# Altium PCB dcb_split_v2.PcbDoc (part 3 of 3)
Units mm, origin at the board's own origin, x right, y up, seen from the top; angles counter-clockwise.
Board outline 175 x 60 mm, 4 copper layers (Top Layer, Int1 (GND), Int2 (PWR), Bottom Layer), stack 1.369 mm thick; 175 components, 105 nets, 654 pads, 664 vias.
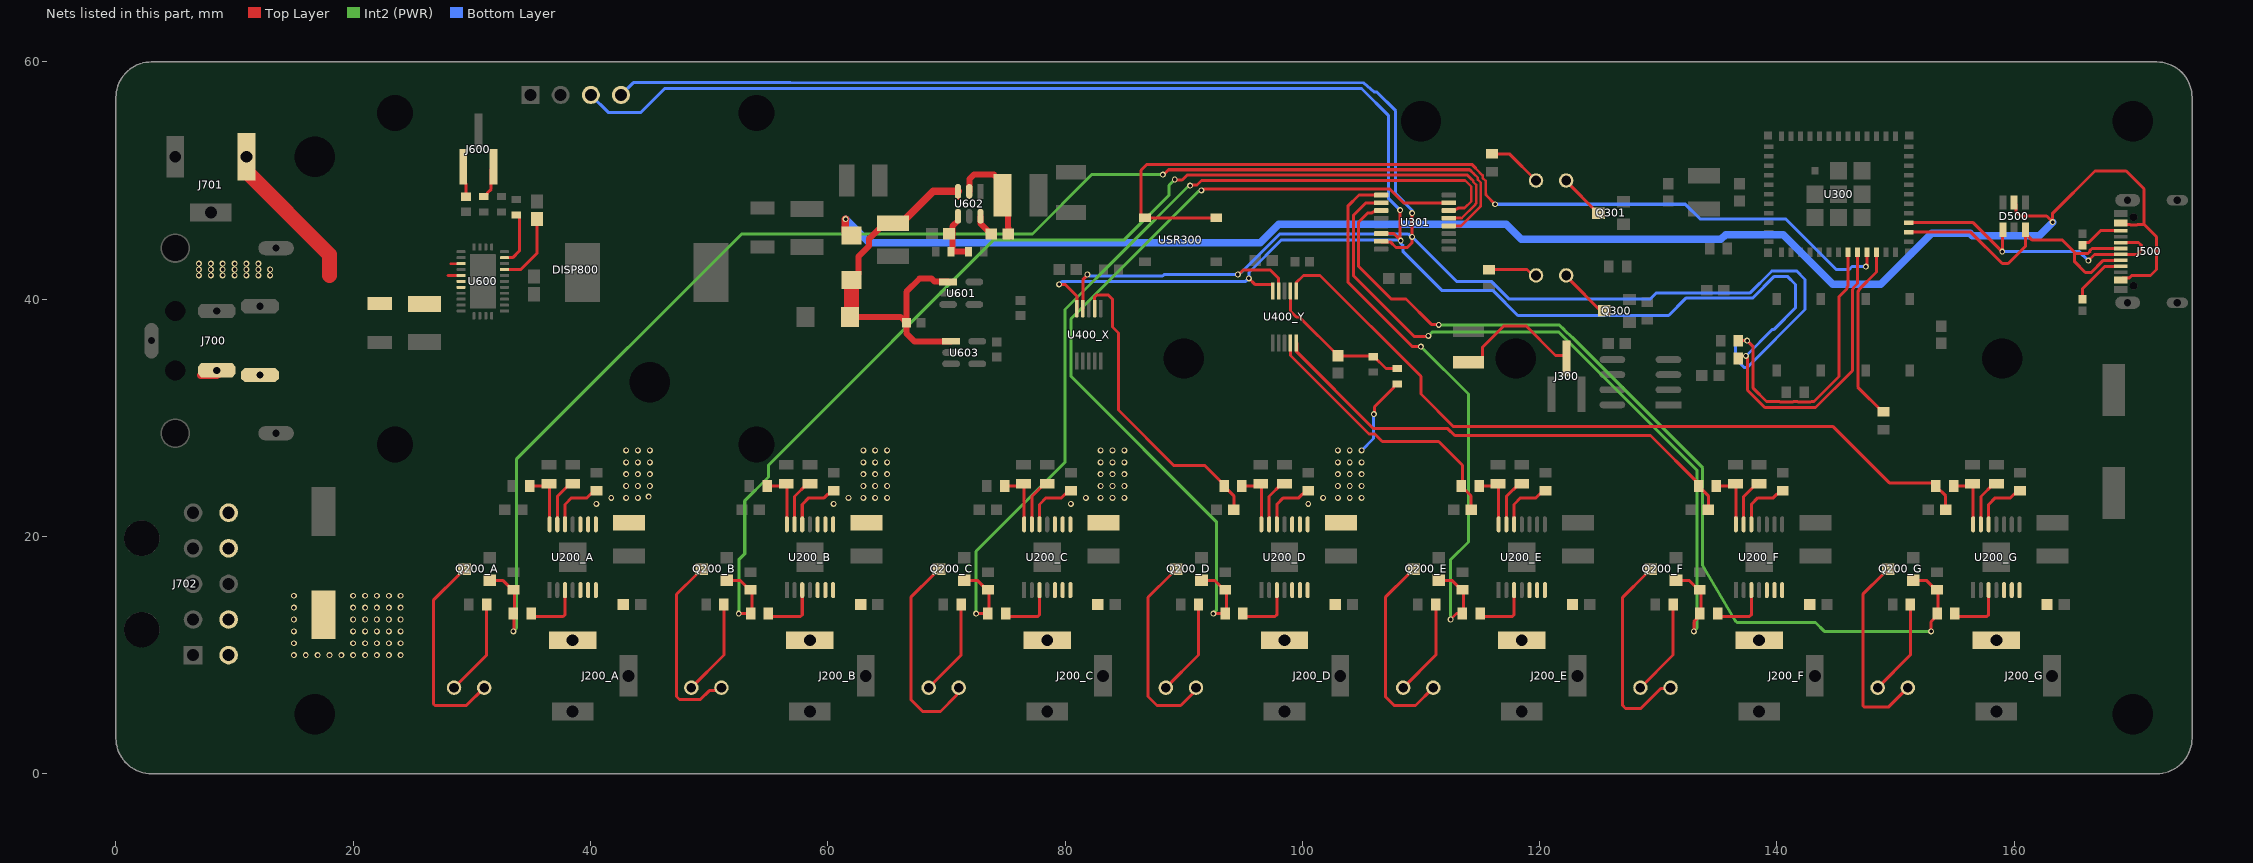
[diagram p5: the nets of this part, all layers, seen from the top]

## Via types
v1: diameter 0.5, hole 0.3, Top Layer to Bottom Layer, 664 vias

## Nets (pads, with @x,y where several pads share a name; then routed paths per layer and width w, separated by ;. In a path a pad name is that pad's centre, name@x,y a point inside that pad or via, vN(x,y) a via of type N, cw(c..) or ccw(c..) an arc to the next point about the centre after c; other vN are vias at no path point) (continued)
NetC202_D_1: C202_D.1 R205_D.2 U400_X.7 | length 26.1
  Top Layer w0.254: U400_X.7@82.5,39.151 82.5,40.184 82.649,40.333 83.667,40.333 84,40 84,37.651 84.5,37.151 84.5,30.651 89.151,26 91.75,26 R205_D.2@93.5,24.25 ; R205_D.2@93.5,24.15 94.227,23.423 C202_D.1@94.227,22.25
NetC202_E_1: C202_E.1 R205_E.2 U400_Y.4 | length 23.5
  Top Layer w0.254: U400_Y.4@99,36.349 99,35.25 105.615,28.635 106.115,28.635 106.75,28 111.5,28 113.5,26 113.5,24.25 113.5,24.15 114.227,23.423 C202_E.1@114.227,22.25
NetC202_F_1: C202_F.1 R205_F.2 U400_Y.5 | length 41.8
  Top Layer w0.254: U400_Y.5@99.5,36.349 99.531,36.318 99.531,35.565 106.007,29.089 112.269,29.089 112.858,28.5 129.35,28.5 133.5,24.35 133.5,24.15 134.227,23.423 C202_F.1@134.227,22.25
NetC202_G_1: C202_G.1 R205_G.2 U400_Y.6 | length 65.6
  Top Layer w0.254: U400_Y.6@99.5,40.651 99.5,41.404 100.096,42 101.5,42 110,33.5 110,32 112.75,29.25 144.75,29.25 149.477,24.523 153.327,24.523 153.5,24.35 153.5,24.25 153.5,24.15 154.227,23.423 C202_G.1@154.227,22.25
NetC600_1: C600.1 U600.8 | length 6.3
  Top Layer w0.254: U600.8@32.75,42.5 34.132,42.5 35.5,43.868 C600.1@35.5,46.859
NetC606_2: C606.2 C614.1 D600.K D601.K U601.1 U602.3 U603.1 | length 33.7
  Top Layer w0.254: U602.3@70.978,49.083 71.032,49.03 U602.3@71.032,48.468
  Top Layer w0.508: D601.K@61.88,38.5 66.15,38.5 C614.1@66.623,38.027 ; D600.K@62,41.62 62.003,41.62 62.076,41.62 62.584,42.128 62.584,43.584 63.494,44.494 63.494,45.094 64.8,46.4 C606.2@65.5,46.4 ; U601.1@70.15,41.45 70.117,41.482 69.008,41.482 68.755,41.735 67.735,41.735 66.623,40.623 C614.1@66.623,38.027 ; U603.1@70.4,36.45 67.3,36.45 66.623,37.127 C614.1@66.623,38 C614.1@66.623,38.027
  Top Layer w0.635: C606.2@65.5,46.4 66.2,46.4 68.883,49.083 U602.3@70.978,49.083
  Top Layer w1.27: D601.K@61.88,38.5 62.003,38.623 D600.K@62.003,41.62
NetC611_1: C611.1 U602.6 | length 2.3
  Top Layer w0.508: U602.6@72.878,46.622 U602.6@72.878,46.983 72.883,46.978 72.883,46.367 73.75,45.5 C611.1@73.773,45.5 C611.1@73.796,45.5
NetC611_2: C611.2 L601.1 U602.2 | length 8
  Top Layer w0.508: U602.2@71.928,49.083 71.928,50.115 72.314,50.5 74,50.5 L601.1@74.5,50 ; L601.1@74.5,48.5 75.2,47.8 75.2,46.027 75.25,45.977 ; L601.1@75.15,49.6 75.15,48.75 L601.1@75.2,48.7 ; C611.2@75.227,45.5 C611.2@75.429,45.298
NetC612_2: C612.2 R604.1 R605.2 U602.4 | length 4.5
  Top Layer w0.508: U602.4@70.978,46.983 70.978,46.615 70.5,46.137 70.5,44 R604.1@71.85,44
NetJ300_2: J300.2 R308.1 | length 11.2
  Top Layer w0.254: R308.1@114,34.675 114.775,34.675 115.173,35.073 115.173,35.923 117,37.75 118.847,37.75 121.347,35.25 122.072,35.25 122.27,35.052 J300.2@122.27,35
NetJ500_A5: J500.A5 R500.2 | length 4.9
  Top Layer w0.254: R500.2@165.75,40 165.75,40.858 167.663,42.771 J500.A5@169,42.771
NetJ500_B5: J500.B5 R501.2 | length 3.8
  Top Layer w0.254: R501.2@165.75,44.543 165.75,44.55 165.959,44.759 166.259,44.759 167.271,45.771 J500.B5@169,45.771
NetJ600_1: J600.1 R606.1 | length 2.6
  Top Layer w0.254: J600.1@29.284,51.151 29.284,49.976 29.5,49.76 R606.1@29.5,48.625
NetJ600_3: J600.3 R603.1 | length 2.9
  Top Layer w0.254: R603.1@31,48.65 31.1,48.65 31.273,48.823 31.273,48.923 31.626,49.276 31.626,50.953 J600.3@31.824,51.151
NetLED200_A_A: LED200_A.A R206_A.1 | length 8.1
  Top Layer w0.254: LED200_A.A@28.5,7.25 31.25,10 R206_A.1@31.25,14.25
NetLED200_A_C: LED200_A.C Q200_A.3 | length 17.4
  Top Layer w0.254: Q200_A.3@29.382,17.25 29.332,17.25 28.976,16.894 28.976,16.844 26.75,14.618 26.75,5.899 26.899,5.75 29.54,5.75 LED200_A.C@31.04,7.25
NetLED200_B_A: LED200_B.A R206_B.1 | length 8.1
  Top Layer w0.254: LED200_B.A@48.5,7.25 51.25,10 R206_B.1@51.25,14.25
NetLED200_B_C: LED200_B.C Q200_B.3 | length 15.7
  Top Layer w0.254: Q200_B.3@49.382,17.25 49.332,17.25 48.976,16.894 48.976,16.844 47.25,15.118 47.25,6.5 47.5,6.25 49.264,6.25 50.014,7 50.409,7 50.474,7.065 50.725,7.065 LED200_B.C@50.79,7
NetLED200_C_A: LED200_C.A R206_C.1 | length 7.8
  Top Layer w0.254: LED200_C.A@68.75,7.5 71.25,10 R206_C.1@71.25,14.25
NetLED200_C_C: LED200_C.C Q200_C.3 | length 17.3
  Top Layer w0.254: Q200_C.3@69.382,17.25 69.332,17.25 68.976,16.894 68.976,16.844 67,14.868 67,6.25 68,5.25 69.5,5.25 70.855,6.605 LED200_C.C@70.855,7.065
NetLED200_D_A: LED200_D.A R206_D.1 | length 8.1
  Top Layer w0.254: LED200_D.A@88.5,7.25 91.25,10 R206_D.1@91.25,14.25
NetLED200_D_C: LED200_D.C Q200_D.3 | length 16.9
  Top Layer w0.254: Q200_D.3@89.382,17.25 89.332,17.25 88.976,16.894 88.976,16.844 87,14.868 87,6.5 87.75,5.75 89.75,5.75 91.04,7.04 LED200_D.C@91.04,7.25
NetLED200_E_A: LED200_E.A R206_E.1 | length 8.1
  Top Layer w0.254: LED200_E.A@108.5,7.25 111.25,10 R206_E.1@111.25,14.25
NetLED200_E_C: LED200_E.C Q200_E.3 | length 16.7
  Top Layer w0.254: Q200_E.3@109.382,17.25 109.332,17.25 108.976,16.894 108.976,16.844 107,14.868 107,6.5 107.75,5.75 109.54,5.75 LED200_E.C@111.04,7.25
NetLED200_F_A: LED200_F.A R206_F.1 | length 8.1
  Top Layer w0.254: LED200_F.A@128.5,7.25 131.25,10 R206_F.1@131.25,14.25
NetLED200_F_C: LED200_F.C Q200_F.3 | length 17.4
  Top Layer w0.254: Q200_F.3@129.382,17.25 129.332,17.25 128.976,16.894 128.976,16.844 127,14.868 127,5.75 127.25,5.5 128.536,5.5 130.216,7.181 130.971,7.181 LED200_F.C@131.04,7.25
NetLED200_G_A: LED200_G.A R206_G.1 | length 8.1
  Top Layer w0.254: LED200_G.A@148.5,7.25 151.25,10 R206_G.1@151.25,14.25
NetLED200_G_C: LED200_G.C Q200_G.3 | length 16.9
  Top Layer w0.254: Q200_G.3@149.382,17.25 149.332,17.25 148.976,16.894 148.976,16.844 147.25,15.118 147.25,5.759 147.399,5.61 149.4,5.61 LED200_G.C@151.04,7.25
NetLED300_A: LED300.A R304.1 | length 4.2
  Top Layer w0.254: R304.1@115.75,42.5 118.939,42.5 119.439,42 LED300.A@119.7,42
NetLED300_C: LED300.C Q300.3 | length 4.6
  Top Layer w0.254: LED300.C@122.24,42 122.24,41.929 125.411,38.758 Q300.3@125.462,38.758
NetLED301_A: LED301.A R305.1 | length 4.6
  Top Layer w0.254: R305.1@116,52.25 117.45,52.25 LED301.A@119.7,50
NetLED301_C: LED301.C Q301.3 | length 3.9
  Top Layer w0.254: LED301.C@122.24,50 122.24,49.929 124.911,47.258 Q301.3@124.962,47.258
NetQ200_A_1: Q200_A.1 R200_A.1 R201_A.1 U301.4 | length 117.8
  Top Layer w0.2: 114.468,50.564 114.8,50.232 114.8,50.06 115.05,49.81 115.05,47.894 115.012,47.856
  Top Layer w0.254: Q200_A.1@31.5,16.3 32.6,16.3 33.4,15.5 R200_A.1@33.5,15.5 33.6,15.4 33.6,13.5 33.547,13.447 33.547,12.047 v1(33.5,12) ; v1(88.25,50.5) 88.317,50.5 88.725,50.908 114.105,50.908 114.428,50.585 114.447,50.585 114.468,50.564 ; U301.4@112.35,46.175 113.383,46.175 115.012,47.804 115.012,47.856
  Int2 (PWR) w0.254: v1(33.5,12) 33.5,12.022 33.75,12.272 33.75,24.884 33.75,26.5 52.75,45.5 77.25,45.5 82.25,50.5 v1(88.25,50.5)
NetQ200_B_1: Q200_B.1 R200_B.1 R201_B.1 U301.5 | length 94.1
  Top Layer w0.2: 113.331,46.825 113.429,46.825 114.585,47.981 114.585,48.019 114.65,48.084 114.65,49.644 114.4,49.894 114.4,49.99 114.259,50.131
  Top Layer w0.254: Q200_B.1@51.5,16.3 52.6,16.3 53.4,15.5 R200_B.1@53.5,15.5 53.6,15.4 53.6,13.5 v1(52.5,13.5) ; v1(89.25,50.087) 89.297,50.04 89.872,50.04 90.286,50.454 113.917,50.454 114.24,50.131 114.259,50.131 ; U301.5@112.35,46.825 113.331,46.825
  Int2 (PWR) w0.254: v1(52.5,13.5) 52.5,18.037 53.004,18.541 53.004,23.004 54.884,24.884 55.008,25.008 55.008,26.008 56.839,27.839 74,45 85,45 88.758,48.758 88.758,49.595 v1(89.25,50.087)
NetQ200_C_1: Q200_C.1 R200_C.1 R201_C.1 U301.6 | length 76.6
  Top Layer w0.2: 113.671,47.671 114.25,48.25 114.25,49.479 113.729,50
  Top Layer w0.254: Q200_C.1@71.5,16.3 72.6,16.3 73.4,15.5 R200_C.1@73.5,15.5 73.6,15.4 73.6,13.5 v1(72.5,13.5) ; v1(90.549,49.573) 90.596,49.621 91.132,49.621 91.511,50 113.729,50 ; U301.6@112.35,47.475 112.423,47.548 112.922,47.548 112.972,47.598 113.056,47.598 113.129,47.671 113.671,47.671
  Int2 (PWR) w0.254: v1(72.5,13.5) 72.5,18.75 80,26.25 80,39.127 85.2,44.327 90.323,49.45 90.359,49.45 90.482,49.573 v1(90.549,49.573)
NetQ200_D_1: Q200_D.1 R200_D.1 R201_D.1 U301.7 | length 72.4
  Top Layer w0.254: Q200_D.1@91.5,16.3 92.6,16.3 93.4,15.5 R200_D.1@93.5,15.5 93.6,15.4 93.6,13.5 v1(92.5,13.5) ; v1(91.5,49.173) 91.567,49.173 91.696,49.302 107.356,49.302 108.533,48.125 U301.7@112.35,48.125
  Int2 (PWR) w0.254: v1(91.5,49.173) 91.453,49.126 91.283,49.126 85.968,43.811 80.5,38.343 80.5,33.5 92.75,21.25 92.75,13.772 92.5,13.522 v1(92.5,13.5)
NetQ200_E_1: Q200_E.1 R200_E.1 R201_E.1 U301.9 | length 49
  Top Layer w0.254: U301.9@106.65,48.775 104.775,48.775 103.842,47.842 103.842,41.445 109.287,36 v1(110,36) ; Q200_E.1@111.5,16.3 112.6,16.3 113.4,15.5 R200_E.1@113.5,15.5 113.6,15.4 113.6,13.5 R201_E.1@113.5,13.5 113,13.5 v1(112.5,13)
  Int2 (PWR) w0.254: v1(110,36) 114,32 114,19.537 112.5,18.037 v1(112.5,13)
NetQ200_F_1: Q200_F.1 R200_F.1 R201_F.1 U301.10 | length 63.8
  Top Layer w0.254: U301.10@106.65,48.125 105.375,48.125 104.296,47.046 104.296,41.991 109.449,36.838 110.127,36.838 110.145,36.856 110.584,36.856 v1(110.631,36.903) ; Q200_F.1@131.5,16.3 132.6,16.3 133.4,15.5 R200_F.1@133.5,15.5 133.6,15.4 133.6,13.4 133,12.8 v1(133,12)
  Int2 (PWR) w0.254: v1(110.631,36.903) 110.979,37.25 121.6,37.25 133.25,25.6 133.25,12.272 133,12.022 v1(133,12)
NetQ200_G_1: Q200_G.1 R200_G.1 R201_G.1 U301.11 | length 78.7
  Top Layer w0.254: U301.11@106.65,47.475 106.577,47.402 106.078,47.402 106.028,47.352 105.944,47.352 105.871,47.279 105.529,47.279 104.75,46.5 104.75,42.75 107.487,40.013 108.737,40.013 110.876,37.874 111.453,37.874 v1(111.5,37.827) ; Q200_G.1@151.5,16.3 152.6,16.3 153.4,15.5 R200_G.1@153.5,15.5 153.6,15.4 153.6,13.4 153,12.8 v1(153,12)
  Int2 (PWR) w0.254: v1(111.5,37.827) 121.665,37.827 122.081,37.411 122.088,37.405 122.743,36.796 133.75,25.789 133.75,17.535 136.498,12.899 136.643,12.75 143.25,12.75 144,12 v1(153,12)
NetR201_A_2: R201_A.2 U200_A.3 | length 5.2
  Top Layer w0.254: R201_A.2@34.9,13.5 34.9,13.423 35.073,13.25 37.701,13.25 37.85,13.399 U200_A.3@37.85,15.475
NetR201_B_2: R201_B.2 U200_B.3 | length 5.2
  Top Layer w0.254: R201_B.2@54.9,13.5 54.9,13.423 55.073,13.25 57.701,13.25 57.85,13.399 U200_B.3@57.85,15.475
NetR201_C_2: R201_C.2 U200_C.3 | length 5.2
  Top Layer w0.254: R201_C.2@74.9,13.5 74.9,13.423 75.073,13.25 77.701,13.25 77.85,13.399 U200_C.3@77.85,15.475
NetR201_D_2: R201_D.2 U200_D.3 | length 5.2
  Top Layer w0.254: R201_D.2@94.9,13.5 94.9,13.423 95.073,13.25 97.701,13.25 97.85,13.399 U200_D.3@97.85,15.475
NetR201_E_2: R201_E.2 U200_E.3 | length 5.2
  Top Layer w0.254: R201_E.2@114.9,13.5 114.9,13.423 115.073,13.25 117.701,13.25 117.85,13.399 U200_E.3@117.85,15.475
NetR201_F_2: R201_F.2 U200_F.3 | length 5.2
  Top Layer w0.254: R201_F.2@134.9,13.5 134.9,13.423 135.073,13.25 137.701,13.25 137.85,13.399 U200_F.3@137.85,15.475
NetR201_G_2: R201_G.2 U200_G.3 | length 5.2
  Top Layer w0.254: R201_G.2@154.9,13.5 154.9,13.423 155.073,13.25 157.701,13.25 157.85,13.399 U200_G.3@157.85,15.475
NetR202_A_2: R202_A.2 U200_A.12 | length 4.8
  Top Layer w0.254: U200_A.12@37.85,21.025 37.85,22.701 38.399,23.25 39.7,23.25 40.4,23.95 R202_A.2@40.5,23.95
NetR202_B_2: R202_B.2 U200_B.12 | length 4.8
  Top Layer w0.254: U200_B.12@57.85,21.025 57.85,22.701 58.399,23.25 59.7,23.25 60.4,23.95 R202_B.2@60.5,23.95
NetR202_C_2: R202_C.2 U200_C.12 | length 4.8
  Top Layer w0.254: U200_C.12@77.85,21.025 77.85,22.701 78.399,23.25 79.7,23.25 80.4,23.95 R202_C.2@80.5,23.95
NetR202_D_2: R202_D.2 U200_D.12 | length 4.8
  Top Layer w0.254: U200_D.12@97.85,21.025 97.85,22.701 98.399,23.25 99.7,23.25 100.4,23.95 R202_D.2@100.5,23.95
NetR202_E_2: R202_E.2 U200_E.12 | length 4.8
  Top Layer w0.254: U200_E.12@117.85,21.025 117.85,22.701 118.399,23.25 119.7,23.25 120.4,23.95 R202_E.2@120.5,23.95
NetR202_F_2: R202_F.2 U200_F.12 | length 4.8
  Top Layer w0.254: U200_F.12@137.85,21.025 137.85,22.701 138.399,23.25 139.7,23.25 140.4,23.95 R202_F.2@140.5,23.95
NetR202_G_2: R202_G.2 U200_G.12 | length 4.8
  Top Layer w0.254: U200_G.12@157.85,21.025 157.85,22.701 158.399,23.25 159.7,23.25 160.4,23.95 R202_G.2@160.5,23.95
NetR203_A_2: R203_A.2 U200_A.13 | length 4.1
  Top Layer w0.254: U200_A.13@37.2,21.025 37.2,23.375 38.275,24.45 R203_A.2@38.5,24.45
NetR203_B_2: R203_B.2 U200_B.13 | length 4.1
  Top Layer w0.254: U200_B.13@57.2,21.025 57.2,23.375 58.275,24.45 R203_B.2@58.5,24.45
NetR203_C_2: R203_C.2 U200_C.13 | length 4.1
  Top Layer w0.254: U200_C.13@77.2,21.025 77.2,23.375 78.275,24.45 R203_C.2@78.5,24.45
NetR203_D_2: R203_D.2 U200_D.13 | length 4.1
  Top Layer w0.254: U200_D.13@97.2,21.025 97.2,23.375 98.275,24.45 R203_D.2@98.5,24.45
NetR203_E_2: R203_E.2 U200_E.13 | length 4.1
  Top Layer w0.254: U200_E.13@117.2,21.025 117.2,23.375 118.275,24.45 R203_E.2@118.5,24.45
NetR203_F_2: R203_F.2 U200_F.13 | length 4.1
  Top Layer w0.254: U200_F.13@137.2,21.025 137.2,23.375 138.275,24.45 R203_F.2@138.5,24.45
NetR203_G_2: R203_G.2 U200_G.13 | length 4.1
  Top Layer w0.254: U200_G.13@157.2,21.025 157.2,23.375 158.275,24.45 R203_G.2@158.5,24.45
NetR204_A_2: R204_A.2 R205_A.1 U200_A.14 | length 5.2
  Top Layer w0.254: R205_A.1@34.8,24.25 36.3,24.25 R204_A.2@36.5,24.45 36.55,24.4 U200_A.14@36.55,21.025
NetR204_B_2: R204_B.2 R205_B.1 U200_B.14 | length 5.2
  Top Layer w0.254: R205_B.1@54.8,24.25 56.3,24.25 R204_B.2@56.5,24.45 56.55,24.4 U200_B.14@56.55,21.025
NetR204_C_2: R204_C.2 R205_C.1 U200_C.14 | length 5.2
  Top Layer w0.254: R205_C.1@74.8,24.25 76.3,24.25 R204_C.2@76.5,24.45 76.55,24.4 U200_C.14@76.55,21.025
NetR204_D_2: R204_D.2 R205_D.1 U200_D.14 | length 5.2
  Top Layer w0.254: R205_D.1@94.8,24.25 96.3,24.25 R204_D.2@96.5,24.45 96.55,24.4 U200_D.14@96.55,21.025
NetR204_E_2: R204_E.2 R205_E.1 U200_E.14 | length 5.2
  Top Layer w0.254: R205_E.1@114.8,24.25 116.3,24.25 R204_E.2@116.5,24.45 116.55,24.4 U200_E.14@116.55,21.025
NetR204_F_2: R204_F.2 R205_F.1 U200_F.14 | length 5.2
  Top Layer w0.254: R205_F.1@134.8,24.25 136.3,24.25 R204_F.2@136.5,24.45 136.55,24.4 U200_F.14@136.55,21.025
NetR204_G_2: R204_G.2 R205_G.1 U200_G.14 | length 5.2
  Top Layer w0.254: R205_G.1@154.8,24.25 156.3,24.25 R204_G.2@156.5,24.45 156.55,24.4 U200_G.14@156.55,21.025
NetR300_1: R300.1 U300.22 | length 15.1
  Top Layer w0.254: U300.22@148.4,43.95 148.4,42.288 146.908,40.796 146.908,40.72 146.823,40.635 146.823,32.577 148.9,30.5 R300.1@149,30.5
NetR602_1: R602.1 U600.10 | length 4.7
  Top Layer w0.254: U600.10@32.75,43.5 32.752,43.502 33.447,43.502 34,44.055 34,46.927 33.827,47.1 R602.1@33.75,47.1
NetU300_21: U300.21 USR300.1 USR300.2 | length 77.4
  Top Layer w0.2: 114.618,51.037 114.618,51.018 115.2,50.436 115.2,50.226 115.45,49.976 115.45,48.884 115.477,48.857
  Top Layer w0.254: USR300.2@92.75,46.85 86.622,46.85 86.399,47.073 86.399,50.855 86.906,51.362 114.293,51.362 114.618,51.037 ; 115.477,48.857 115.477,48.773 v1(116.25,48) ; v1(147.5,42.75) 147.5,42.817 147.6,42.917 U300.21@147.6,43.95
  Bottom Layer w0.254: v1(116.25,48) 132.282,48 133.532,46.75 140.75,46.75 145,42.5 146.092,42.5 146.342,42.75 v1(147.5,42.75)
SCL: DISP800.3 R301.1 U300.20 U301.14 U400_X.10 U400_Y.10 | length 188.5
  Top Layer w0.254: v1(79.5,41.25) 80,41.25 81,40.25 U400_X.10@81,39.151 ; v1(95.5,41.75) 96.001,41.249 97.477,41.249 97.5,41.226 U400_Y.10@97.5,40.651 ; U301.14@106.65,45.525 107.73,45.525 108.297,44.958 v1(108.297,44.932) ; v1@108.25,45.005 v1(108.25,47.5) ; v1(137.39,35.216) 137.39,35.149 137.531,35.008 137.531,32.327 138.985,30.872 143.265,30.872 146.369,33.977 146.369,40.823 146.454,40.908 146.454,40.984 146.8,41.33 U300.20@146.8,43.95
  Bottom Layer w0.254: DISP800.3@40.03,57.214 41.494,55.75 44.25,55.75 46.25,57.75 53.996,57.75 56.839,57.75 105,57.75 105.074,57.676 107.25,55.5 107.25,48.5 v1(108.25,47.5) ; v1(79.5,41.25) 79.522,41.25 79.772,41.5 95.228,41.5 95.478,41.75 v1(95.5,41.75) 95.5,42.25 98.255,45.005 108.25,45.005 108.297,44.958 108.297,44.699 108.5,44.496 108.5,43.994 111.744,40.75 116.042,40.75 118.161,38.631 130.881,38.631 132.331,40.081 137.94,40.081 139.79,41.931 140.885,41.931 141.577,41.239 141.577,39.269 139.769,37.461 139.635,37.461 v1(137.39,35.216)
SDA: DISP800.4 R302.1 U300.19 U301.15 U400_X.9 U400_Y.9 | length 192.5
  Top Layer w0.254: U400_X.9@81.482,39.169 81.5,39.188 81.5,41.627 81.883,42.01 v1(81.883,42.077) ; v1(94.577,42.077) 94.644,42.077 95.007,42.441 97.318,42.441 97.982,41.777 U400_Y.9@97.982,40.669 ; U301.15@106.65,44.875 106.688,44.837 107.413,44.837 107.895,44.355 108.855,44.355 109.25,44.75 v1(109.25,47.25) ; R302.1@136.75,36.5 v1(137.5,36.5) 138.004,35.996 138.004,32.504 138,32.5 139.119,31.381 140.22,31.381 140.274,31.326 141.345,31.326 141.4,31.381 141.72,31.381 141.774,31.326 142.845,31.326 142.9,31.381 143.131,31.381 145.238,33.488 145.238,40.204 145.915,40.881 145.915,41.012 146,41.097 U300.19@146,43.95
  Bottom Layer w0.254: DISP800.4@42.57,57.214 43.606,58.25 54.493,58.25 56.839,58.248 105.188,58.204 106.029,57.468 106.079,57.468 106.282,57.468 107.875,55.875 107.875,48.875 109.25,47.5 v1(109.25,47.25) ; v1(81.883,42.077) 81.95,42.077 82.073,41.954 88.23,41.954 88.353,42.077 94.644,42.077 94.767,42.2 94.808,42.2 98.117,45.509 108.925,45.509 109.183,45.25 v1(109.25,45.25) 113,41.5 115.934,41.5 117.438,39.996 129.312,39.996 129.851,40.535 137.748,40.535 139.455,42.242 139.459,42.242 139.602,42.385 141.654,42.385 142.381,41.658 142.381,39.131 137.48,34.23 137.27,34.23 136.5,35 136.5,36.351 136.649,36.5 v1(137.5,36.5)
USBDN: D500.3 J500.A7 J500.B7 U300.26 | length 27.4
  Top Layer w0.254: U300.26@151.1,45.65 156.35,45.65 159,43 159.5,43 160.95,44.45 D500.3@160.95,45.55 ; D500.3@160.95,45.85 D500.3@160.95,45.55 ; 165.106,43.858 166.222,43.858 166.413,44.05 166.413,44.123 166.562,44.271 J500.A7@169,44.271 ; J500.B7@169,43.271 167.521,43.271 166.5,42.25 166,42.25 165.106,43.144 165.106,43.931 164.033,45.004 161.496,45.004 D500.3@160.95,45.55
USBDP: D500.1 J500.A6 J500.B6 U300.27 | length 25.4
  Top Layer w0.254: U300.27@151.1,46.45 156.55,46.45 v1(159,44) 159.025,44.025 159.025,45.825 D500.1@159.05,45.85 ; v1(166.25,43.25) 166.256,43.25 166.777,43.771 170.373,43.771 170.75,44.149 170.75,44.5 170.479,44.771 J500.B6@169,44.771
  Bottom Layer w0.254: v1(159,44) 165.5,44 v1(166.25,43.25)
VBUS: D500.5 D600.A J500.A4_B9 J500.B4_A9 | length 137
  Top Layer w0.254: D500.5@160,48.15 160.14,48.01 160.14,47.36 160.489,47.011 162.739,47.011 v1(163.25,46.5) 163.25,47.25 166.809,50.809 169.441,50.809 170.947,49.303 170.947,46.303 170.384,46.303 170.34,46.259 169.8,46.259 169.769,46.29 169.131,46.29 J500.B4_A9@169,46.421 ; J500.A4_B9@169,41.621 169.173,41.794 169.592,41.794 169.705,41.794 169.911,42 171.5,42 172,42.5 172,45.25 170.918,46.332
  Top Layer w0.635: v1(61.5,46.75) 61.472,46.722 61.472,45.657 D600.A@61.75,45.38
  Bottom Layer w0.635: v1(61.5,46.75) 63.5,44.75 96.442,44.75 98.013,46.321 117.179,46.321 118.457,45.044 135.288,45.044 135.689,45.444 140.534,45.444 144.728,41.25 148.768,41.25 153.063,45.546 156.279,45.546 156.469,45.355 162.106,45.355 v1(163.25,46.5)
VIN: C200_A.2 C200_B.2 C200_C.2 C200_D.2 C602.2 C604.1 C700.2 J700.2 J700.4 J701.1 J702.6 J702.7 J702.9 J702.10 R100.2 U200_A.8 U200_A.9 U200_A.10 U200_B.8 U200_B.9 U200_B.10 U200_C.8 U200_C.9 U200_C.10 U200_D.8 U200_D.9 U200_D.10 U600.18 U600.20 U600.21 U600.22 | length 24.1
  Top Layer w0.2: 28.226,43 U600.18@29.1,43
  Top Layer w0.254: 28,42 U600.20@29.1,42 ; v1(106.031,30.305) 106.078,30.352 106.078,30.928 107.727,32.577 107.727,32.677 107.9,32.85 R100.2@108,32.85
  Top Layer w0.635: J700.4@7.15,33.6 J700.4@8.5,33.6 ; J700.2@11.22,33.6 J700.2@12.15,33.6
  Top Layer w1.27: J700.4@8.5,34 J700.4@8.535,33.965 ; J701.1@11,52 11,50.75 18,43.75 18,42
  Bottom Layer w0.254: v1(105,27.25) 106,28.25 106,30.274 v1(106.031,30.305)
  other v1: 15,10 16,10 17,10 18,10 19,10 20,10 21,10 22,10 23,10 24,10 15,11 20,11 21,11 22,11 23,11 24,11 15,12 20,12 21,12 22,12 23,12 24,12 15,13 20,13 21,13 22,13 23,13 24,13 15,14 20,14 21,14 22,14 23,14 24,14 15,15 20,15 21,15 22,15 23,15 24,15 40.5,22.75 60.5,22.75 80.5,22.75 100.5,22.75 41.75,23.25 43,23.25 44,23.25 61.75,23.25 63,23.25 64,23.25 65,23.25 81.75,23.25 83,23.25 84,23.25 85,23.25 101.75,23.25 103,23.25 104,23.25 105,23.25 44.894,23.356 43,24.25 44,24.25 45,24.25 63,24.25 64,24.25 65,24.25 83,24.25 84,24.25 85,24.25 103,24.25 104,24.25 105,24.25 43,25.25 44,25.25 45,25.25 63,25.25 64,25.25 65,25.25 83,25.25 84,25.25 85,25.25 103,25.25 104,25.25 105,25.25 43,26.25 44,26.25 45,26.25 63,26.25 64,26.25 65,26.25 83,26.25 84,26.25 85,26.25 103,26.25 104,26.25 105,26.25 43,27.25 44,27.25 45,27.25 63,27.25 64,27.25 65,27.25 83,27.25 84,27.25 85,27.25 103,27.25 104,27.25 7,42 8,42 9,42 10,42 11,42 12,42 13,42 7,42.5 8,42.5 9,42.5 10,42.5 11,42.5 12,42.5 13,42.5 7,43 8,43 9,43 10,43 11,43 12,43
VO_A: C201_A.1 J200_A.1 U200_A.5 U200_A.6 U200_A.7
VO_B: C201_B.1 J200_B.1 U200_B.5 U200_B.6 U200_B.7
VO_C: C201_C.1 J200_C.1 U200_C.5 U200_C.6 U200_C.7
VO_D: C201_D.1 J200_D.1 U200_D.5 U200_D.6 U200_D.7
VO_E: C201_E.1 J200_E.1 U200_E.5 U200_E.6 U200_E.7
VO_F: C201_F.1 J200_F.1 U200_F.5 U200_F.6 U200_F.7
VO_G: C201_G.1 J200_G.1 U200_G.5 U200_G.6 U200_G.7
VTAP: C100.1 R100.1 R101.2 U400_Y.7 | length 12.7
  Top Layer w0.254: U400_Y.7@99,40.651 99,39 99.5,38.5 99.75,38.5 103,35.25 C100.1@103,35.227 105.923,35.227 R101.2@106,35.15 106.05,35.15 107.05,34.15 R100.1@108,34.15
pads on no net: D500.4 D500.6 DISP800. J300.1 J500. J500.A8 J500.B8 J700. J700.SHLD J702. U200_A.1 U200_A.4 U200_A.11 U200_B.1 U200_B.4 U200_B.11 U200_C.1 U200_C.4 U200_C.11 U200_D.1 U200_D.4 U200_D.11 U200_E.1 U200_E.4 U200_E.11 U200_F.1 U200_F.4 U200_F.11 U200_G.1 U200_G.4 U200_G.11 U300.4 U300.7 U300.9 U300.10 U300.15 U300.16 U300.17 U300.24 U300.25 U300.28 U300.29 U300.30 U300.31 U300.32 U300.33 U300.34 U300.35 U301.13 U400_X.2 U400_Y.2 U600.7 U600.11 U600.16 U600.19 U600.23 U600.27 U600.28 U600.29 U600.30 U601.3 U601.4 U602.5 U603.3 U603.4

## Polygon pours and split planes (outlines as drawn)
GND on Top Layer "GND_L01_P060" (solid, pour order 60): 162,28 162,40.25 174,40.25 174,28
GND on Top Layer "GND_L01_P062" (solid, remove dead copper, pour order 62): 63,42.75 78,42.75 78,33 63,33
12V on Top Layer "12V_L01_P012" (solid, remove dead copper, pour order 12): 45,46 60,46 60,35 62,33 62,31 45,31
VIN on Top Layer "VIN_L01_P013" (solid, pour order 13): 18.5,43.25 6.5,43.25 6.5,41.5 18.5,41.5
VIN on Top Layer "INDC_VIN_L01_P053" (solid, pour order 15): 14.75,43.25 29.75,43.25 29.75,40.25 27.75,40.25 27.75,38.461 27.782,38.429 27.603,38.25 14.75,38.25
GND on Top Layer "GND_L01_P059" (solid, pour order 59): 78.75,47.25 80.5,49 86,49 86,45.75 79.25,45.75 78.75,45.25
12V on Top Layer "12V_L01_P014" (solid, pour order 14): 174,28 174,18 167.887,18 165.887,20 162,20 162,28
INDC on Top Layer "INDC_L01_P016" (solid, remove dead copper, pour order 16): 32,41.25 36.5,41.25 37,41.75 37,45.5 42.75,45.5 42.75,36.75 32.25,36.75 32,37
GND on Top Layer "GND_L01_P057" (solid, pour order 57): 165.25,20 174,20 174,1 165.25,1
GND on Top Layer "GND_L01_P056" (solid, pour order 56): 138.25,54 138.25,42.25 124.25,42.25 124.25,54
GND on Top Layer "GND_L01_P054" (solid, pour order 54): 38,45.5 63,45.5 63,59 38,59
3V3 on Top Layer "3V3_L01_P053" (solid, pour order 53): 63,59 106,59 106,49 80.5,49 78.75,47.25 78.75,45.75 76,43 63,43
VIN on Top Layer "VIN_L01_P049" (solid, remove dead copper, pour order 49): 13.25,25.75 8,25.75 8,15 13.25,15
VIN on Top Layer "VIN_L01_P017" (solid, pour order 17): 8,17 25,17 25,8.5 8.25,8.5 8,8.75
GND on Top Layer "GND_L01_P052" (solid, pour order 52): -4,22 8,22 8,11 9.75,9.25 165.5,9.25 165.5,0.5 -1.5,0.5 -4,3
GND on Top Layer "GND_L01_P051" (solid, remove dead copper, pour order 51): 1,59 38.5,59 38.5,26.25 175,26.25 175,11 1,11
GND on Top Layer "GND_L01_P026" (solid, pour order 26): 165.5,20.25 165.5,15.75 161.5,15.75 161,16.25 154.5,16.25 154.5,20.25
VO_G on Top Layer "VO_G_L01_P035" (solid, pour order 35): 158.611,16.248 158.613,16.25 165.5,16.25 165.5,9.25 155.5,9.25 155.5,12.25 156,12.75 158,12.75 158,16.22 158.066,16.286 159.024,16.286
12V on Top Layer "12V_L01_P050" (solid, pour order 50): 158.75,20 165.5,20 165.5,28 162.5,28 162.5,24.25 161.25,24.25 159.5,22.5 158.75,22.5
GND on Top Layer "GND_L01_P025" (solid, pour order 25): 125.5,20.25 125.5,15.75 121.5,15.75 121,16.25 114.5,16.25 114.5,20.25
VO_E on Top Layer "VO_E_L01_P034" (solid, pour order 34): 118.611,16.248 118.613,16.25 125.5,16.25 125.5,9.25 115.5,9.25 115.5,12.25 116,12.75 118,12.75 118,16.22 118.066,16.286 119.024,16.286
12V on Top Layer "12V_L01_P048" (solid, pour order 48): 118.75,20 125.5,20 125.5,28 122.5,28 122.5,24.25 121.25,24.25 119.5,22.5 118.75,22.5
GND on Top Layer "GND_L01_P024" (solid, pour order 24): 145.5,20.25 145.5,15.75 141.5,15.75 141,16.25 134.5,16.25 134.5,20.25
VO_F on Top Layer "VO_F_L01_P033" (solid, pour order 33): 138.611,16.248 138.613,16.25 145.5,16.25 145.5,9.25 135.5,9.25 135.5,12.25 136,12.75 138,12.75 138,16.22 138.066,16.286 139.024,16.286
12V on Top Layer "12V_L01_P047" (solid, pour order 47): 138.75,20 145.5,20 145.5,28 142.5,28 142.5,24.25 141.25,24.25 139.5,22.5 138.75,22.5
GND on Top Layer "GND_L01_P023" (solid, pour order 23): 105.5,20.25 105.5,15.75 101.5,15.75 101,16.25 94.5,16.25 94.5,20.25
VO_D on Top Layer "VO_D_L01_P032" (solid, pour order 32): 98.611,16.248 98.613,16.25 105.5,16.25 105.5,9.25 95.5,9.25 95.5,12.25 96,12.75 98,12.75 98,16.22 98.066,16.286 99.024,16.286
VIN on Top Layer "VIN_L01_P045" (solid, pour order 45): 98.75,20 105.5,20 105.5,28 102.5,28 102.5,24.25 101.25,24.25 99.5,22.5 98.75,22.5
GND on Top Layer "GND_L01_P022" (solid, pour order 22): 85.5,20.25 85.5,15.75 81.5,15.75 81,16.25 74.5,16.25 74.5,20.25
VO_C on Top Layer "VO_C_L01_P031" (solid, pour order 31): 78.611,16.248 78.613,16.25 85.5,16.25 85.5,9.25 75.5,9.25 75.5,12.25 76,12.75 78,12.75 78,16.22 78.066,16.286 79.024,16.286
VIN on Top Layer "VIN_L01_P044" (solid, pour order 44): 78.75,20 85.5,20 85.5,28 82.5,28 82.5,24.25 81.25,24.25 79.5,22.5 78.75,22.5
GND on Top Layer "GND_L01_P021" (solid, pour order 21): 65.5,20.25 65.5,15.75 61.5,15.75 61,16.25 54.5,16.25 54.5,20.25
VO_B on Top Layer "VO_B_L01_P030" (solid, pour order 30): 58.611,16.248 58.613,16.25 65.5,16.25 65.5,9.25 55.5,9.25 55.5,12.25 56,12.75 58,12.75 58,16.22 58.066,16.286 59.024,16.286
VIN on Top Layer "VIN_L01_P043" (solid, pour order 43): 58.75,20 65.5,20 65.5,28 62.5,28 62.5,24.25 61.25,24.25 59.5,22.5 58.75,22.5
GND on Top Layer "GND_L01_P020" (solid, pour order 20): 85.5,20.25 85.5,15.75 81.5,15.75 81,16.25 74.5,16.25 74.5,20.25
VO_C on Top Layer "VO_C_L01_P029" (solid, pour order 29): 78.611,16.248 78.613,16.25 85.5,16.25 85.5,9.25 75.5,9.25 75.5,12.25 76,12.75 78,12.75 78,16.22 78.066,16.286 79.024,16.286
VIN on Top Layer "VIN_L01_P041" (solid, pour order 41): 78.75,20 85.5,20 85.5,28 82.5,28 82.5,24.25 81.25,24.25 79.5,22.5 78.75,22.5
GND on Top Layer "GND_L01_P019" (solid, pour order 19): 65.5,20.25 65.5,15.75 61.5,15.75 61,16.25 54.5,16.25 54.5,20.25
VO_B on Top Layer "VO_B_L01_P028" (solid, pour order 28): 58.611,16.248 58.613,16.25 65.5,16.25 65.5,9.25 55.5,9.25 55.5,12.25 56,12.75 58,12.75 58,16.22 58.066,16.286 59.024,16.286
VIN on Top Layer "VIN_L01_P037" (solid, pour order 37): 58.75,20 65.5,20 65.5,28 62.5,28 62.5,24.25 61.25,24.25 59.5,22.5 58.75,22.5
VIN on Top Layer "VIN_L01_P036" (solid, pour order 36): 38.75,20 45.5,20 45.5,28 42.5,28 42.5,24.25 41.25,24.25 39.5,22.5 38.75,22.5
VO_A on Top Layer "VO_A_L01_P027" (solid, pour order 27): 38.611,16.248 38.613,16.25 45.5,16.25 45.5,9.25 35.5,9.25 35.5,12.25 36,12.75 38,12.75 38,16.22 38.066,16.286 39.024,16.286
GND on Top Layer "GND_L01_P018" (solid, pour order 18): 45.5,20.25 45.5,15.75 41.5,15.75 41,16.25 34.5,16.25 34.5,20.25
GND on Int1 (GND) "GND_L02_P038" (solid, pour order 38): 1,59 118,59 118,54 175,54 175,1 1,1
GND on Bottom Layer "GND_L04_P061" (solid, remove dead copper, pour order 61): 118,31.5 173.75,31.5 174,31.75 174,54 118,54 118,58.75
GND on Bottom Layer "GND_L04_P058" (solid, pour order 58): 15.5,59 15.5,32 44,32 44,41 118,41 118,59
12V on Bottom Layer "12V_L04_P055" (solid, remove dead copper, pour order 55): 45,46 52,46 52,43 55,40 109,40 116,33 116,31 174,31 174,22 109,22 109,32 45,32 45,47
VIN on Bottom Layer "VIN_L04_P039" (solid, pour order 39): -3,59 -3,21 108.25,21 108.25,31.5 15,31.5 15,59
GND on Bottom Layer "GND_L04_P046" (solid, pour order 46): 25,1 25,20.5 174,20.5 174,1
VIN on Bottom Layer "VIN_L04_P040" (solid, pour order 40): 0,21 0,1 24.25,1 24.25,21
3V3 on Int2 (PWR) "3V3_L03_P042" (solid, pour order 42): 47,59 47,29 25,29 25,9.25 169,9.25 169,54 118,54 118,59

## Other copper
Top Layer:
  text "PCB REV B2" at 6.004,57.754 h0.6

## Silkscreen, mask and mechanical layers (free items; w line width, h text height)
Top Overlay:
  drawing of 57 lines, arcs and shapes, not listed
  text "DCBuddy Split" at 85.5,54.956 h4
  text "blueAcro.com" at 93.25,53.269 h2
  text "24V" at 28,51.5 h2 r90
  text "12V" at 34.25,51.5 h2 r90
  text "TERM" at 122,29 h2
  text "(c) 2024 StackFoundry LLC" at 173.4,8.9 h0.6 r90
  text "AUX PORTS" at 167.981,7.5 h2 r90
Mechanical 1:
  the board outline again, w0.254